# KiCad board hermod-left.kicad_pcb (continued)
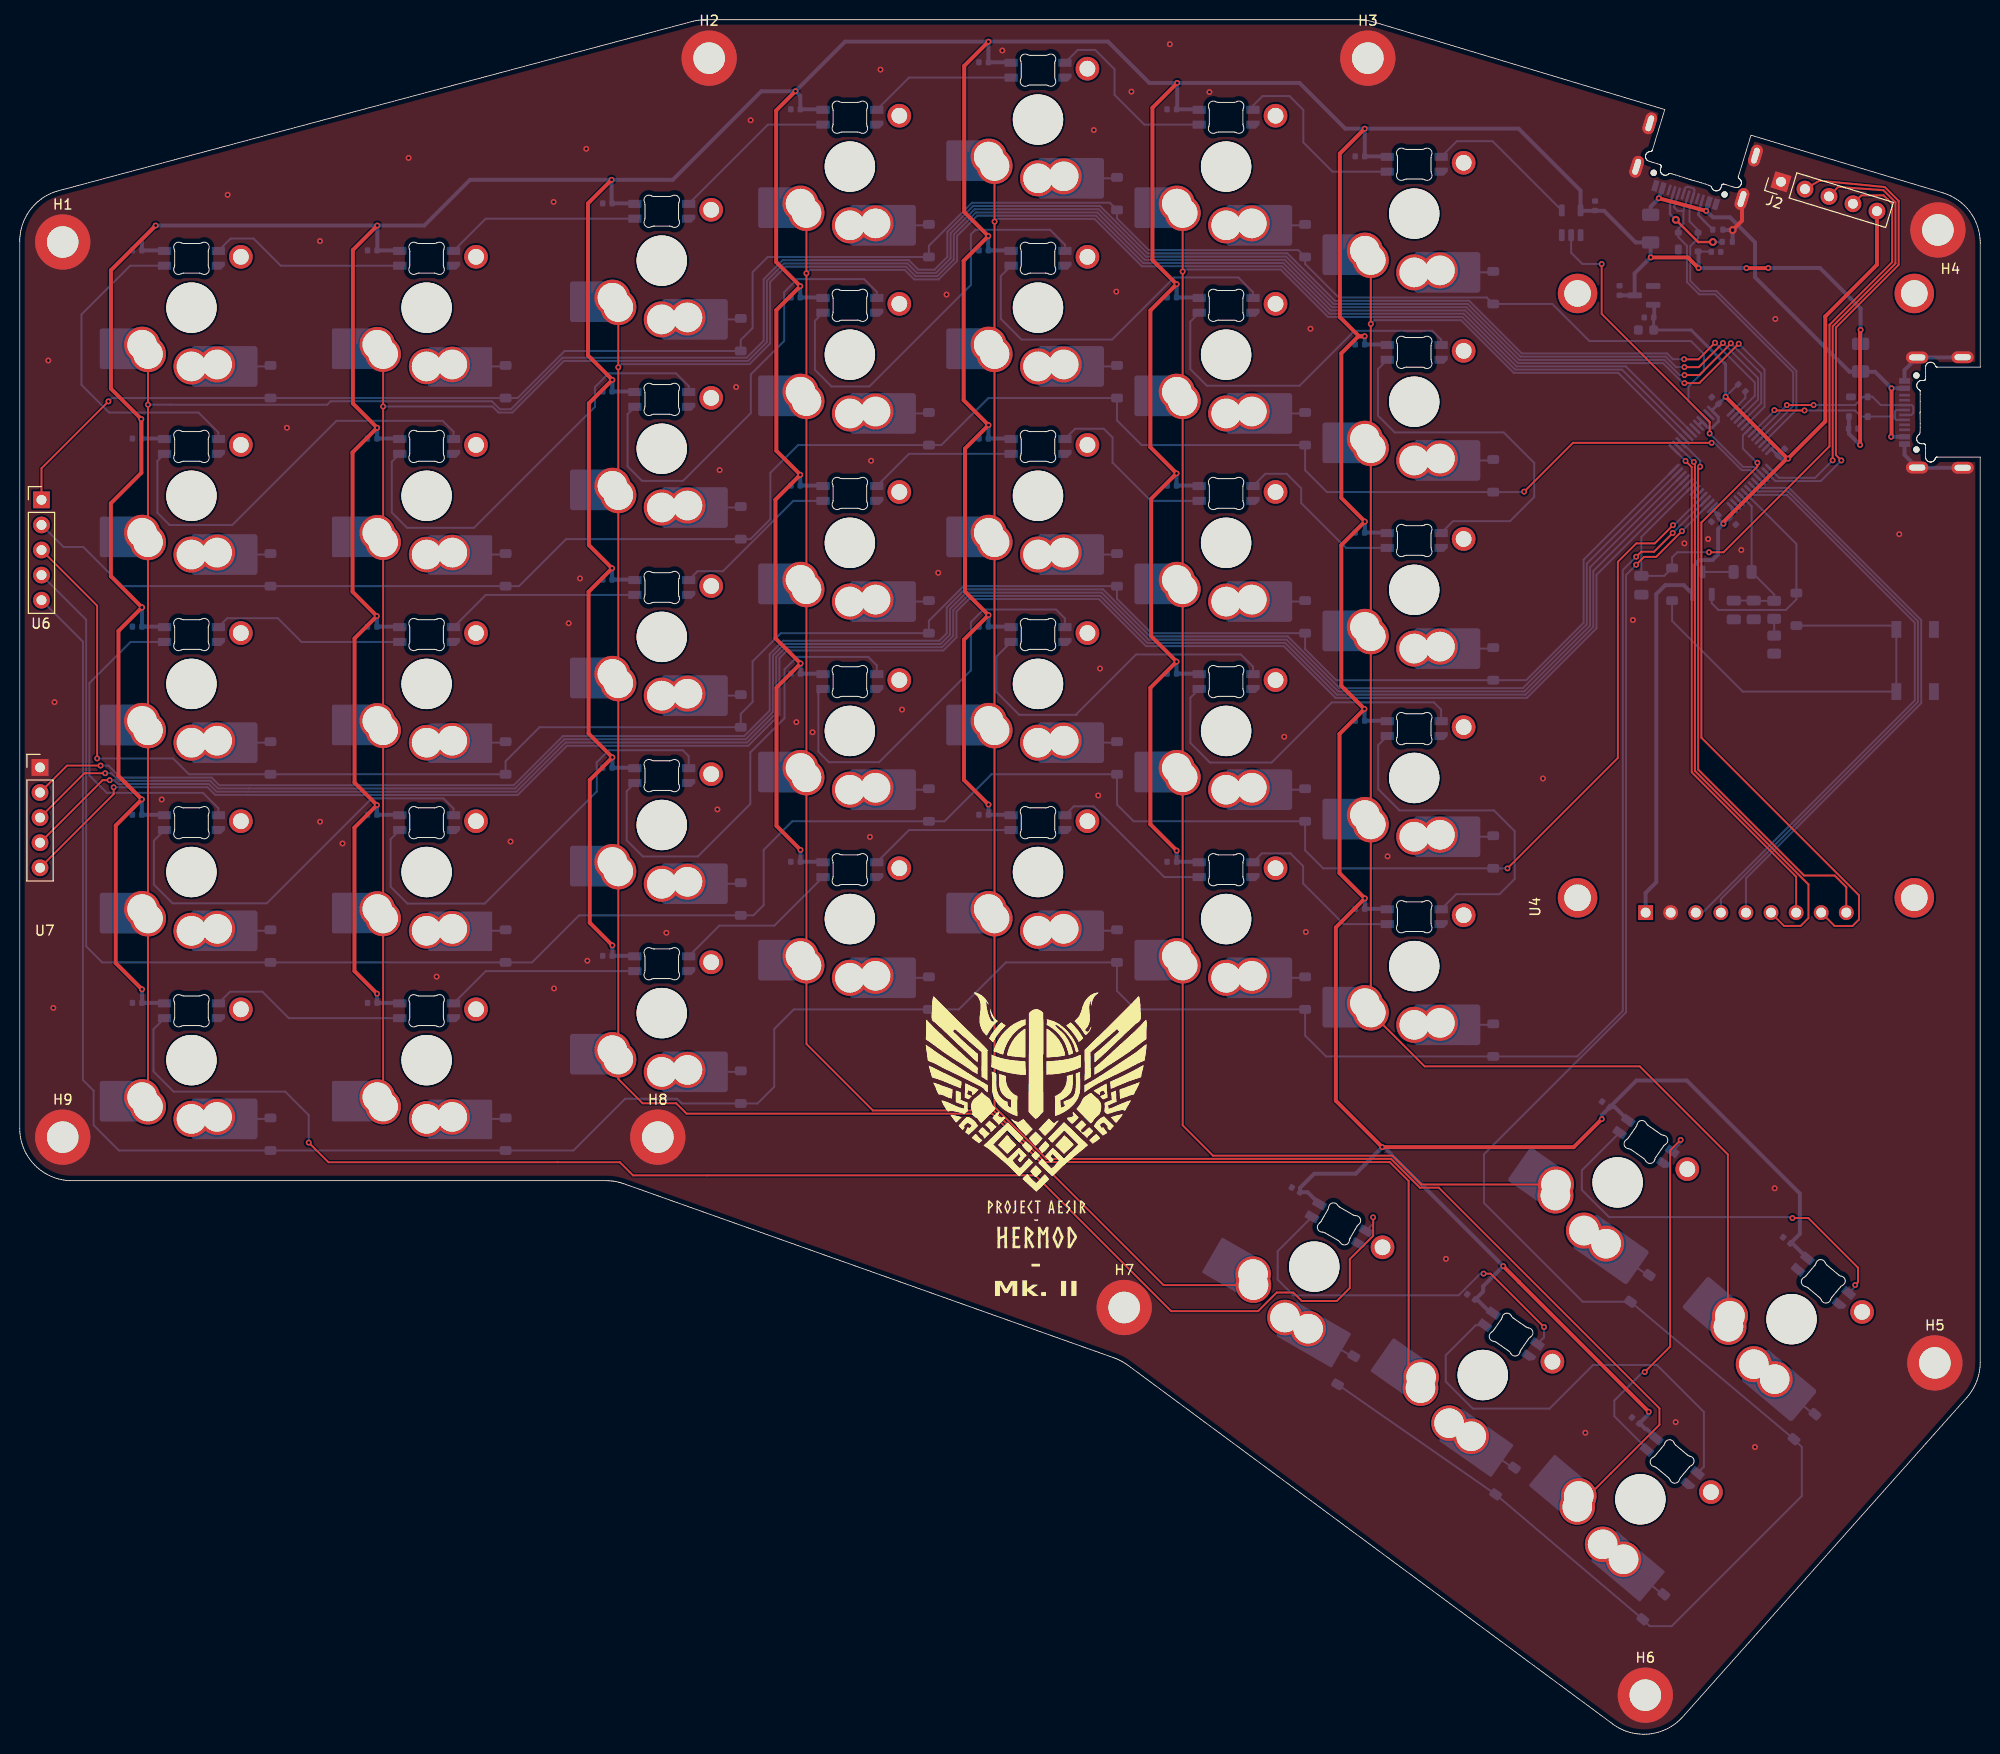
[diagram p0: board, top side]
## Routing (per net, layer and track width the routed paths; a pad name or vN(x,y) marks a point on that pad's centre or on a via; arc(x,y) is an arc through that point) (continued)
Net-(LED27-DOUT): length 36.1
  Bottom w0.2: LED28.3 143.94,103.76 143.2,104.5 132.86,104.5 126.77,98.41 120.52,98.41 118.54,100.39 118.54,104.96 LED27.2
Net-(LED29-DIN): length 20
  Bottom w0.2: LED29.3 21.29,75.2 24.56,75.2 27.24,72.52 LED30.2
Net-(LED30-DIN): length 19.7
  Bottom w0.2: LED30.3 47.19,77.28 LED31.2
Net-(LED31-DIN): length 16.9
  Bottom w0.2: LED32.2 76.42,81.89 70.84,81.89 67.74,78.78
Net-(LED32-DIN): length 15
  Bottom w0.2: 100.39,91.57 90.05,91.57 LED32.3
Net-(LED33-DIN): length 16.9
  Bottom w0.2: LED33.3 106.74,93.97 108.74,93.97 115.9,86.8 LED34.2
Net-(LED34-DIN): length 18
  Bottom w0.2: LED34.3 125.79,89.2 128.67,89.2 129.96,87.92 129.96,86.15 134.07,82.04 LED35.2
Net-(LED36-DOUT): length 40.6
  Top w0.2: v1(154.35,41.24) 148.94,46.65 v1(148.23,46.65)
  Bottom w0.2: LED37.3 154.35,40.2 v1(154.35,41.24) ; v1(148.23,46.65) 147.91,46.65 145.71,44.45 128.98,44.45 127.38,46.05 127.38,48.92 LED36.2
Net-(LED37-DOUT): length 45.4
  Bottom w0.2: LED37.2 147.44,41.42 144.4,38.39 144.4,35.72 147.14,32.98 154.91,32.98 159.33,37.4 165.78,37.4 170.54,32.64 170.54,27.09 LED38.3
Net-(LED38-DOUT): length 37.2
  Top w0.2: v1(164.55,36.69) 167.13,39.27 167.13,59.13 v1(168.19,60.19)
  Bottom w0.2: LED38.2 164.76,28.92 161.47,32.21 161.47,33.8 164.36,36.69 v1(164.55,36.69) ; v1(168.19,60.19) 168.19,59.88 LED39.3
Net-(LED39-DOUT): length 41.6
  Top w0.2: v1(179.51,52.28) 181.12,52.28 186.15,47.25 186.15,45.78 v1(185.86,45.49)
  Bottom w0.2: v1(179.51,52.28) 179.42,52.37 160.94,52.37 158.18,55.13 158.18,57.1 LED39.2 ; LED40.3 185.86,45.35 v1(185.86,45.49)
Net-(Q3-C): length 3.2
  Bottom w0.2: R7.1 Q3.3
Net-(R8-Pad1): length 1.7
  Bottom w0.2: R8.1 R9.1

## Copper pours and planes (outline as drawn; the poured copper is in the pictures)
GND on Top: -9.68,180.71 84.46,190.76 209.69,175.49 209.69,-21.73 -7.45,-3.72 -10.4,138.09
GND on Bottom: -12.21,182.24 84.53,187.82 204.45,168.05 205.9,-13.2 -7.45,1.03 -15.64,105.12

## Text on the board
B.Silkscreen: GND | SWCLK | SWD | NRST | +3v3 | Designed By: / Modern Hobbyist / Charlie Steenhagen | Variant: / Gateron KS-33 / MX Spacing | - / Mk. II
F.Silkscreen: - / Mk. II
